# Altium PCB ReboostV2.1.PcbDoc (part 2 of 2) (continued)
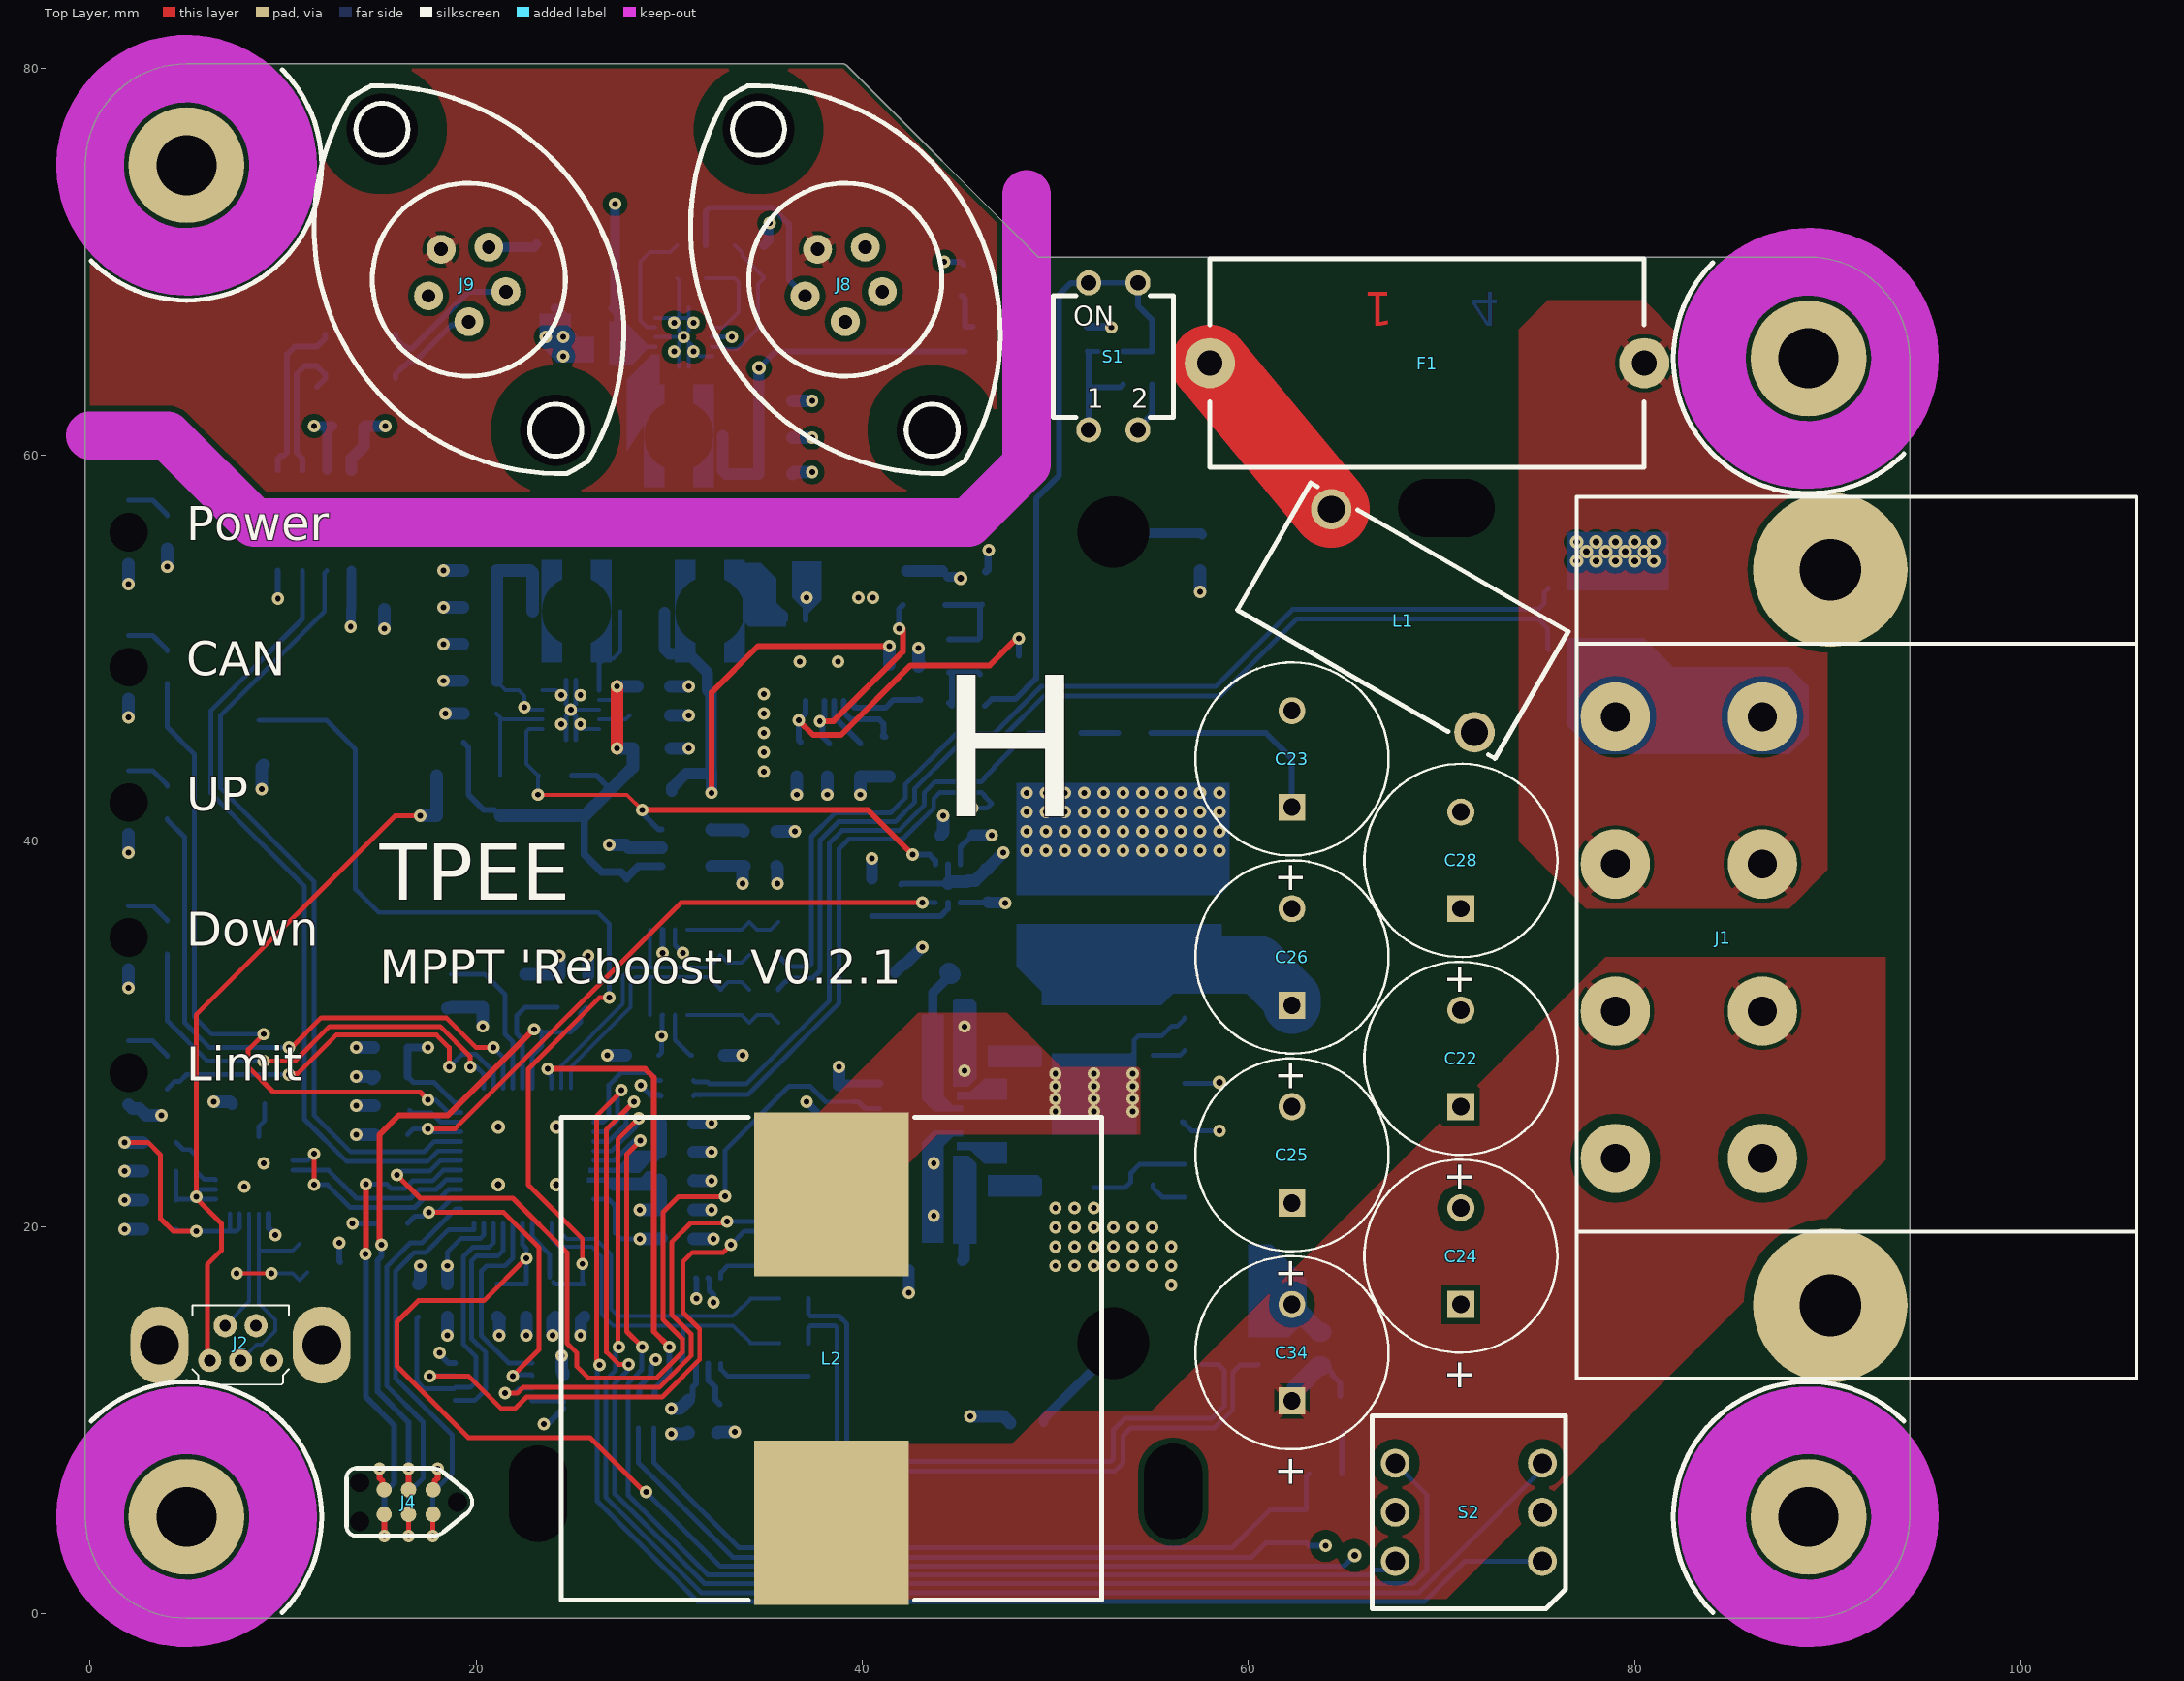
[diagram p0: Top Layer view]
## Nets (pads, with @x,y where several pads share a name; then routed paths per layer and width w, separated by ;. In a path a pad name is that pad's centre, name@x,y a point inside that pad or via, vN(x,y) a via of type N, cw(c..) or ccw(c..) an arc to the next point about the centre after c; other vN are vias at no path point) (continued)
NetC55_2: C55.2 U9.4@26.375,46.3 | length 1.7
  Bottom Layer w0.2: U9.4@26.375,46.3 27.75,46.3 C55.2@27.95,46.5
NetC57_2: C57.2 U10.4 | length 1.7
  Bottom Layer w0.65: U10.4@32.195,40.6 32.215,40.58 33.77,40.58 C57.2@33.85,40.5
NetD4_2: D4.2 R29.2 | length 2.1
  Bottom Layer w0.3: R29.2@45.15,68.25 R29.2@45.25,68.15 45.325,68.075 D4.2@45.325,66.635 D4.2@45.729,66.635
NetD4_4: D4.4 R41.1 S1.1 | length 6.5
  Bottom Layer w0.25: D4.4@51.675,65.365 D4.4@52.227,65.365
  Bottom Layer w0.3: D4.4@51.675,65.365 51.73,65.31 51.73,63.5 ; S1.1@51.73,61.29 51.73,63.5 ; R41.1@53.5,63.65 53.35,63.5 51.73,63.5
NetD5_2: D5.2 R35.1 R42.2 U9.7 | length 5.5
  Bottom Layer w0.2: R42.2@21.05,46.6 R42.2@21.235,46.415 ; D5.2@21.235,43.4 R42.2@21.235,46.415 ; U9.7@23.425,46.3 21.35,46.3 R42.2@21.235,46.415
NetF1_1: F1.1 L1.2 | length 29.5
  Top Layer w4: F1.1@58,64.75 L1.2@64.288,57.188
  Layer 1 w4: F1.1@58,64.75 L1.2@64.288,57.188
  Bottom Layer w4: F1.1@58,64.75 L1.2@64.288,57.188
NetL3_1: L3.1 U7.1 | length 1.4
  Bottom Layer w0.2: 28.8,63.85 28.8,64.1 29.275,64.575 U7.1@29.275,65.1
NetL4_1: L4.1 U8.1 | length 2
  Bottom Layer w0.2: L4.1@34.375,51.9 35.9,51.9 36.05,51.75 U8.1@36.05,51.45
NetL5_1: L5.1 U9.1 | length 5.2
  Bottom Layer w0.2: 26.638,49.438 27.1,49.438 27.475,49.813 L5.1@27.475,51.9
  Bottom Layer w0.25: U9.1@26.375,47.8 26.375,49.175 26.638,49.438 26.9,49.7
NetL6_1: L6.1 U6.5 | length 8.8
  Bottom Layer w0.3: U6.5@9.73,59.2 9.73,59.8 9.88,59.95 10.024,59.95 10.2,60.126 10.2,65.2 10.6,65.6 11.75,65.6 12.175,66.025 L6.1@12.175,66.225
NetL6_4: L6.4 U6.6 | length 7.8
  Bottom Layer w0.3: U6.6@11,59.2 11,59.8 10.7,60.1 10.7,64.2 11.1,64.6 11.75,64.6 12.175,64.175 12.175,63.951 L6.4@11.75,63.526
NetLED1_2: LED1.2 R1.1 | length 2.4
  Bottom Layer w0.25: LED1.2@2,57.65 3.25,57.65 4,56.9 R1.1@4,56.85
NetLED2_2: LED2.2 R2.1 | length 2.4
  Bottom Layer w0.25: LED2.2@2,50.65 3.25,50.65 4,49.9 R2.1@4,49.85
NetLED3_2: LED3.2 R3.1 | length 2.4
  Bottom Layer w0.25: LED3.2@2,36.65 3.25,36.65 4,35.9 R3.1@4,35.85
NetLED4_2: LED4.2 R4.1 | length 2.4
  Bottom Layer w0.25: LED4.2@2,29.65 3.25,29.65 4,28.9 R4.1@4,28.85
NetLED5_2: LED5.2 R5.1 | length 2.4
  Bottom Layer w0.25: LED5.2@2,43.65 3.25,43.65 4,42.9 R5.1@4,42.85
NetQ1_G1: Q1.G1 R24.2 | length 1.8
  Bottom Layer w0.25: Q1.G1@55.05,28.9 56.45,28.9 R24.2@56.7,29.15
NetQ1_G2: Q1.G2 R22.2
NetQ2_G1: Q2.G1 R50.2 | length 2
  Bottom Layer w0.25: Q2.G1@55.05,22.2 55.05,22.05 55.55,21.55 R50.2@56.7,21.55
NetQ2_G2: Q2.G2 R27.2
NetQ3_1: Q3.1 R38.1 R53.2 | length 3.7
  Bottom Layer w0.3: R38.1@44.5,47.15 R38.1@44.65,47 44.65,48.6 R53.2@44.5,48.75 46,48.75 Q3.1@46.1,48.65
NetQ3_2: Q3.2 R26.1 R37.2 R53.1 | length 5.3
  Bottom Layer w0.3: R26.1@44.3,52.225 R37.2@46.175,52.225 ; R53.1@44.5,50.45 46,50.45 Q3.2@46.1,50.55 46.1,52.15 R37.2@46.175,52.225 ; R37.2@46.2,52.25 R37.2@46.175,52.225
NetQ3_3: Q3.3 R34.2 U8.14 | length 17
  Top Layer w0.3: v1(36.7,46.25) 37.45,45.5 38.9,45.5 42.5,49.1 46.6,49.1 47.825,50.325 47.83,50.325 48.005,50.5 v1(48.1,50.5)
  Bottom Layer w0.3: R34.2@36.8,45.125 36.7,45.225 v1(36.7,46.25) 37.05,46.6 U8.14@37.05,47.25 ; Q3.3@48.1,49.6 v1(48.1,50.5)
NetR11_1: R11.1 U2.9 | length 3.3
  Bottom Layer w0.25: R11.1@4.45,24.4 4.825,24.025 5.175,24.025 5.5,23.7 5.5,22.9 5.925,22.475 6.475,22.475 U2.9@6.5,22.45
NetR12_VHS_1: R12_VHS.1 R13_VHS.2 | length 1.9
  Bottom Layer w0.3: R13_VHS.2@51.35,45.6 R12_VHS.1@53.25,45.6
NetR12_VLS_1: R12_VLS.1 R13_VLS.2 | length 2.2
  Bottom Layer w0.3: R13_VLS.2@64.85,7.25 64.85,9.25 R12_VLS.1@65,9.4
NetR15_1: R15.1 U3.46 | length 2.9
  Bottom Layer w0.25: R15.1@16.55,26.05 16.675,25.925 17.675,25.925 18.15,25.45 U3.46@19.2,25.45
NetR25_1: R25.1 R32.2 U8.12 | length 10.8
  Top Layer w0.3: v1(37.8,46.208) 38.508,46.208 42.1,49.8 v1@42.1,51
  Bottom Layer w0.3: U8.12@38.05,47.25 38.05,46.458 v1(37.8,46.208) 37.8,46.1 37.95,45.95 37.95,45.4 R32.2@38.3,45.05 ; v1(41.9,51) 41.9,52.025 R25.1@42.1,52.225
NetR28_1: R28.1 R30.2 U7.7 | length 5
  Bottom Layer w0.2: R28.1@31.9,69.15 R30.2@33.4,69.15 33.6,68.95 33.6,67.4 32.8,66.6 U7.7@32.225,66.6
NetR30_1: R30.1 R31.2 U7.9 | length 7.9
  Bottom Layer w0.2: U7.9@32.225,65.6 32.24,65.585 32.815,65.585 32.925,65.475 33.509,65.475 34.6,66.566 34.6,68.85 R31.2@34.9,69.15 34.9,69.2 33.8,70.3 33.8,70.45 R30.1@33.4,70.85
NetR33_1: R33.1 R36.2 U8.9 | length 3.9
  Bottom Layer w0.3: U8.9@39.55,47.25 39.55,46.95 39.6,46.9 41.2,46.9 41.6,47.3 R36.2@43,47.3
NetR38_2: R38.2 R39.2 R41.2 S1.3 S1.4 | length 33.3
  Bottom Layer w0.3: R38.2@46.35,47 46.7,47.35 47.928,47.35 49,48.422 49,57.737 50.2,58.937 50.2,68.3 50.806,68.906 51.726,68.906 S1.4@51.73,68.91 S1.3@54.27,68.91 54.27,67.73 55,67 R39.2@55,65.35 R41.2@53.5,65.35
NetR40_2: R40.2 U8.11 | length 3.3
  Bottom Layer w0.3: U8.11@38.55,47.25 38.55,46.412 R40.2@39.906,45.056 ; R40.2@39.55,45.4 R40.2@39.9,45.05
NetR47_1: R47.1 R48.2 U11.2 | length 4.4
  Bottom Layer w0.3: R47.1@40.5,36.105 44.049,36.105 44.43,36.486 U11.2@44.43,36.805
R\S\T\: J4.3 R14.2 U3.7 | length 36.1
  Top Layer w0.3: v1(15.1,19.1) 15,19.2 15,24.8 16,25.8 18.545,25.8 v1(22.995,30.25) ; J4.3@16.5,6.4 v1(16.5,7.5)
  Bottom Layer w0.25: U3.7@22.9,27.2 22.9,28.9 23.4,29.4 23.4,30.1 ; v1(22.995,30.25) 23.082,30.164 23.336,30.164 23.4,30.1 ; R14.2@25.7,31.4 25.421,31.121 25.421,30.621 24.9,30.1 23.4,30.1
  Bottom Layer w0.3: v1(15.1,19.1) 15.1,18.5 14.9,18.3 14.9,11.492 16.5,9.892 v1(16.5,7.5)
RX: U2.21 U3.40 | length 9.7
  Bottom Layer w0.25: U2.21@10.5,22.95 12.35,22.95 13.8,21.5 16.6,21.5 17.05,21.95 17.929,21.95 18.429,22.45 U3.40@19.2,22.45
S_IHS_N: R6_IHS.4 R7_IHS.1 | length 53.5
  Bottom Layer w0.25: R7_IHS.1@35.65,32.3 35.65,32.35 36.025,32.725 36.075,32.725 36.25,32.9 37.431,32.9 37.81,33.278 37.81,40.046 38.764,41 41.7,41 42.7,42 42.7,42.7 44.791,44.791 44.797,44.791 45.097,45.09 47.004,45.09 47.273,45.36 47.273,45.373 49.4,47.5 58.5,47.5 62.5,51.5 75,51.5 75.5,51 75.5,49.95 R6_IHS.4@75.55,49.9
S_IHS_P: R6_IHS.3 R9_IHS.1 | length 52.9
  Bottom Layer w0.25: R9_IHS.1@35.65,34.1 35.65,34.05 36.025,33.675 36.075,33.675 36.25,33.5 37.213,33.5 37.36,33.646 37.36,40.232 38.577,41.45 41.45,41.45 42.225,42.225 42.225,42.925 44.55,45.25 44.85,45.55 46.814,45.55 49.264,48 58.293,48 62.293,52 75,52 75.325,52.325 75.325,52.875 R6_IHS.3@75.55,53.1
S_ILS_N: R6_ILS.4 R7_ILS.1 | length 35.2
  Bottom Layer w0.25: R7_ILS.1@37.2,14 37.2,14.783 37.317,14.9 38.583,14.9 38.7,14.783 38.7,8.493 39.818,7.375 53.086,7.375 53.5,7.789 53.5,7.996 53.5,9.2 53.9,9.6 58.236,9.6 59.189,10.552 59.189,12.489 59.56,12.86 60.46,12.86 R6_ILS.4@60.5,12.9
S_ILS_P: R6_ILS.3 R9_ILS.1 | length 34.4
  Bottom Layer w0.25: R9_ILS.1@37.2,16.3 37.2,15.517 37.317,15.4 38.79,15.4 39.2,14.99 39.2,8.7 40.025,7.875 52.879,7.875 53,7.996 53,9.5 53.6,10.1 58.1,10.1 58.739,10.739 58.739,12.59 58.429,12.9 R6_ILS.3@57.6,12.9
SHLD: J8.5 J9.5
SWCLK: J4.4 U3.37 | length 21.2
  Top Layer w0.25: v1(16.5,4) J4.4@16.5,5.13
  Bottom Layer w0.25: v1(16.5,4) 16.5,6.25 17.25,7 17.25,9.905 15.375,11.78 15.375,17.975 16.6,19.2 17.2,19.2 18.95,20.95 U3.37@19.2,20.95
SWDIO: J4.2 U3.36 | length 21.8
  Top Layer w0.25: v1(17.75,4) 17.76,4.01 17.76,5.12 J4.2@17.77,5.13
  Bottom Layer w0.25: v1(17.75,4) 17.75,6.25 18.75,7.25 18.75,9.25 15.825,12.175 15.825,17.725 16.8,18.7 17.4,18.7 18.575,19.875 19.9,19.875 U3.36@19.9,20.2
SWO: J4.6 U3.41 | length 25.6
  Top Layer w0.3: v1(14.274,18.613) 14.3,18.639 v1(14.3,22.225) ; J4.6@15.23,5.13 15.24,5.12 15.24,4.01 v1(15.25,4)
  Bottom Layer w0.25: v1(14.3,22.225) 15.375,22.225 15.6,22 16.3,22 16.7,22.4 17.743,22.4 18.293,22.95 U3.41@19.2,22.95
  Bottom Layer w0.3: v1(14.274,18.613) 14.3,18.587 14.3,11.2 15.75,9.75 15.75,6.75 15.25,6.25 v1(15.25,4)
Tamb: C21.2 R19.1 R21.2 U3.30 | length 53.6
  Top Layer w0.25: v1(25.5,18.1) 25.5,19.4 22.7,22.2 22.7,28.2 26.4,31.9 v1(26.9,31.9)
  Bottom Layer w0.25: R21.2@8.75,46.25 12.25,46.25 13.75,44.75 13.75,37.5 14.95,36.3 26.3,36.3 26.9,35.7 v1(26.9,31.9) ; U3.30@22.9,20.2 22.9,19.5 23.8,18.6 C21.2@23.8,17.4 ; C21.2@24,17.15 C21.2@24.1,17.05 R19.1@25.6,17.05 25.5,17.15 v1(25.5,18.1) v1@25.35,18.1
Tsink: C20.2 R18.1 R20.2 U3.31 | length 98.6
  Top Layer w0.25: v1(22.6,18.4) 20.4,16.2 17,16.2 15.9,15.1 15.9,12.8 19.6,9.1 25.9,9.1 28.71,6.29 v1(28.79,6.29)
  Layer 1 w0.25: v2(58.5,27.5) 59.5,26.5 59.5,10 65.5,4 v2(65.5,3)
  Bottom Layer w0.25: R18.1@21.1,17.05 C20.2@22.6,17.05 v1(22.6,18.4) 22.6,18.9 22.4,19.1 22.4,19.375 U3.31@22.4,20.2 ; v1(28.79,6.29) 32.631,2.45 64.95,2.45 v2(65.5,3) ; R20.2@56.7,27.45 v2@58.65,27.45
TX: U2.20 U3.39 | length 11.3
  Top Layer w0.25: v1(11.6,22.2) v1(11.6,23.8)
  Bottom Layer w0.25: U2.20@10.5,23.45 11.25,23.45 v1(11.6,23.8) ; v1(11.6,22.2) 12.3,22.2 13.475,21.025 16.825,21.025 17.3,21.5 18.116,21.5 18.566,21.95 U3.39@19.2,21.95
V_VHS_P: L7_VHS.1 R13_VHS.1 R49_VHS.1 | length 31.2
  Bottom Layer w0.25: L7_VHS.1@31.25,27.6 31.325,27.525 31.973,27.525 32.079,27.419 33.983,27.419 38.3,31.736 38.3,39.9 38.95,40.55 41.9,40.55 43.2,41.85 43.2,42.5 43.775,43.075 46.179,43.075 46.325,43.221 46.325,43.275 R49_VHS.1@46.7,43.65 46.825,43.775 46.825,43.825 48.6,45.6 R13_VHS.1@49.65,45.6
V_VLS_P: L7_VLS.1 R13_VLS.1 R49_VLS.1 | length 40.2
  Bottom Layer w0.25: L7_VLS.1@29.2,9.6 29.2,7.8 33.6,3.4 59.15,3.4 61.1,5.35 R49_VLS.1@63,5.35 63,7.1 R13_VLS.1@63.15,7.25
Vb: C22.1 C23.1 C24.1 C25.1 C26.1 C28.1 C32.2 C33.2 C36.2 C37.2 C38.2 C64.2 L1.1 Q1.D R12_VHS.2 R25.2 R26.2 U8.3 | length 62.6
  Layer 1 w0.5: v1(37.1,52.6) 38.2,53.7 38.8,54.3 44.9,54.3 ; 44.95,54.3 45.1,54.3 ; v2(45.1,53.6) 45.1,54.3 ; L1.1@71.5,45.5 71.5,46 67.5,50 53.02,50 49.02,54 45.98,54 45.68,54.3 45.1,54.3
  Bottom Layer w0.2: 37.05,52.15 37,52.2 37.004,52.204 37.004,52.504 v1(37.1,52.6)
  Bottom Layer w0.3: U8.3@37.05,51.45 37.05,52.15 ; R12_VHS.2@54.95,45.6 60.9,45.6 62.25,44.25 C23.1@62.25,41.5
  Bottom Layer w0.5: R26.2@44.45,53.675 44.875,53.675 44.95,53.6 v2(45.1,53.6)
  Bottom Layer w0.6: R25.2@42.3,53.975 R26.2@44.15,53.975
  Bottom Layer w3: 54.8,33.6 55.7,33.6 60.493,33.6 62.25,31.843 C26.1@62.25,31.5
Vcan: C43.2 C44.2 D8.2 J8.1 J9.1 R28.2 U7.2@29.275,65.6 | length 45.6
  Layer 1 w1: J9.1@17.534,68.233 16.5,69.267 16.5,71.2 17.6,72.3 27.2,72.3 33.2,72.3 36.784,68.716 36.784,68.618 37.034,68.368 J8.1@37.034,68.233 ; v1@27.2,72.786 v1(27.2,73)
  Bottom Layer w0.24: 28.4,65.6 U7.2@29.275,65.6
  Bottom Layer w0.3: R28.2@31.9,70.85 31.9,72.624 32.076,72.8 35.355,72.8 36.2,71.955 36.2,69.067 J8.1@37.034,68.233
  Bottom Layer w0.5: v1(27.2,73) 27.2,67.7 C44.2@27.1,67.6 27.375,67.325 C43.2@27.375,65.4
Vdd: C9.2 C16.2 C17.2 C18.2 C19.2 C31.2 C41.2 C53.2 C60.2 C65.2 C66.2 J4.1 L5.2 R1.2 R14.1 R18.2 R19.2 R45.1 U3.23 U3.35 U3.48 U4.8 U5.7 U6.1 U9.8 | length 45.1
  Top Layer w0.3: J4.1@17.77,6.4 17.866,6.496 17.866,6.866 18,7 v1(18,7.5)
  Layer 1 w0.65: 27.2,19.4 v1(28.475,19.4)
  Bottom Layer w0.2: C41.2@21.075,48.3 21.075,48.25 21.525,47.8 22.2,47.8 22.5,47.5 v1(22.5,46.925) 22.617,46.808 22.617,46.8 U9.8@23.425,46.8
  Bottom Layer w0.25: C17.2@16.45,27.8 16.75,27.5 17.825,27.5 18.657,26.668 18.875,26.45 U3.48@19.2,26.45 ; v1(18.5,18) 18.5,18.7 19.225,19.425 20.225,19.425 20.4,19.6 U3.35@20.4,20.2 ; U3.23@26.1,21.45 26.85,21.45 27.2,21.1 27.2,19.7 27.5,19.4 v1(28.475,19.4)
  Bottom Layer w0.3: U4.8@22.9,11.025 24.425,11.025 C9.2@24.5,10.95 ; v1(23.5,9.8) 23.7,9.8 24.5,10.6 C9.2@24.5,10.65 ; C18.2@29.45,19.5 C18.2@29.55,19.4
  Bottom Layer w0.4: C17.2@16.45,27.8 C19.2@16.45,29.3 v1(17.5,29.3) ; C60.2@38.8,27.35 38.9,27.45 U5.7@40.9,27.45
  Bottom Layer w0.5: v1(13.5,51.1) 13.519,51.119 13.519,51.969 C31.2@13.55,52 13.545,52.005 13.545,53.995 U6.1@13.54,54
  Bottom Layer w0.65: v1(4,54.2) R1.2@4,55.15 ; v1(13.8,24.8) R45.1@14.75,24.8 ; C16.2@18.5,17.05 v1(18.5,18) ; C41.2@21.075,48.3 C65.2@21.075,50.2 C66.2@21.075,52.1 C53.2@21.075,54 22.8,54 22.925,53.875 L5.2@22.925,51.9 ; R18.2@21.1,15.35 21.225,15.225 21.2,15.2 v1(21.2,14.4) ; v1(25.4,14.4) 25.425,14.425 25.425,15.175 R19.2@25.6,15.35 ; R14.1@25.8,33.05 v1(25.8,34.05) ; v1@28.5,19.4 C18.2@29.55,19.4 ; C18.2@29.5,19.4 C18.2@29.55,19.4 ; C18.2@29.6,19.45 C18.2@29.55,19.4 ; C60.2@38.8,27.35 v1(38.8,28.3)
VDD_CP: C8.2 R11.2 U2.5 U2.6 | length 13.5
  Top Layer w0.25: v1(1.8,24.4) 3,24.4 3.65,23.75 3.65,20.45 4.3,19.8 v1(5.5,19.8)
  Bottom Layer w0.25: C8.2@4.45,19.9 4.55,19.8 v1(5.5,19.8) 7.25,19.8 ; U2.6@7.25,20.7 7.25,19.8 ; U2.5@7.75,20.7 7.75,19.95 7.6,19.8 7.25,19.8
  Bottom Layer w0.65: v1(1.8,24.4) R11.2@2.75,24.4
Vdda: C2_IHS.2 C2_ILS.2 C12.2 C13.2 C67.2 U1_IHS.3 U1_IHS.7 U1_ILS.3 U1_ILS.7 U3.21 U10.5 | length 16.5
  Bottom Layer w0.25: U3.21@26.1,22.45 C12.2@29.5,22.45 ; C2_IHS.2@29.45,28.9 29.6,29.05 v1(29.6,29.9) 29.623,29.923 29.623,30.978 U1_IHS.3@29.645,31 ; U1_IHS.7@30.295,35.4 30.295,34.605 v1(30.7,34.2)
  Bottom Layer w0.3: C13.2@31.2,11.2 31.2,11.7 31.375,11.875 U1_ILS.3@31.375,12.95 ; U1_ILS.7@32.025,17.35 32.08,17.295 32.08,16.728 32.3,16.508 v1(32.3,16.1)
  Bottom Layer w0.65: v1(28.475,20.9) C2_ILS.2@29.55,20.9 C12.2@29.55,22.4 C12.2@29.5,22.45 ; v1(30.1,10.6) 30.55,10.6 C13.2@31,11.05 ; U10.5@32.195,38.7 C67.2@33.85,38.7 ; v1(33.8,37.8) 33.8,38.65 C67.2@33.85,38.7 ; C67.2@33.9,38.7 C67.2@33.85,38.7
VDDPG: R44.1 U9.6 U10.3 U11.4 | length 28.2
  Top Layer w0.2: v1(23.2,42.4) 27.8,42.4 v1(28.6,41.6)
  Top Layer w0.3: v1(28.6,41.6) 40.3,41.6 v1(42.6,39.3)
  Bottom Layer w0.2: v1(23.2,42.4) 23.2,43.35 R44.1@23.25,43.4 23.2,43.4 22.6,44 22.6,45.683 22.717,45.8 U9.6@23.425,45.8
  Bottom Layer w0.3: v1(28.6,41.6) 28.6,41.455 29.455,40.6 U10.3@29.605,40.6 ; v1(42.6,39.3) 43.475,39.3 43.78,38.995 U11.4@43.78,38.795
Vdds: C42.2 C52.2 C54.2 D6.2 D7.2 R35.2 R44.2 U9.2@26.375,47.3 U10.1 | length 29.6
  Top Layer w0.65: v1(27.3,44.8) v1(27.3,48)
  Bottom Layer w0.2: U9.2@26.375,47.3 27.1,47.3 27.314,47.514 27.314,47.84 v1@27.431,47.957
  Bottom Layer w0.3: R35.2@19.35,45.1 19.6,44.85 19.6,42.4 20.4,41.6 20.935,41.6 D7.2@21.235,41.3 ; R44.2@24.95,43.4 26.22,43.4 26.865,42.755 D6.2@26.865,42.6
  Bottom Layer w0.4: 25.6,41.3 25.6,39.3 26.5,38.4 27.5,38.4 C54.2@27.8,38.1 ; U10.1@29.605,38.7 28.4,38.7 C54.2@27.8,38.1 ; C54.2@27.8,38.1 C54.2@27.8,38.05 C54.2@27.8,38.1
  Bottom Layer w0.65: D7.2@21.235,41.3 25.6,41.3 D6.2@26.865,42.565 ; D6.2@26.865,42.6 D6.2@26.865,42.565 ; v1(27.3,44.8) 28.125,44.8 28.125,43.825 D6.2@26.865,42.565 ; v1@27.31,48 C42.2@28.35,48
Vdrv: C56.2 D2.1 D3.1 R47.2 U11.1 | length 38.1
  Layer 1 w0.3: v1(40.5,39.1) 41.6,38 46.7,38 47.3,37.4 v1@47.3,36.8
  Layer 1 w0.6: v1(42.4,16.6) 42.4,16.614 42.1,16.914 42.1,33.5 v1(43.1,34.5) 45.4,36.8 v1@47.3,36.8
  Bottom Layer w0.3: U11.1@45.08,36.805 46.355,36.805 C56.2@46.4,36.85
  Bottom Layer w0.6: R47.2@40.5,38.05 v1(40.5,39.1) ; D3.1@41.7,33.2 42.1,33.6 42.2,33.6 v1(43.1,34.5) ; v1(42.4,16.6) D2.1@42.4,17.8 ; C56.2@46.5,36.85 46.531,36.819 47.381,36.819 v1(47.4,36.8)
VDRVPG: R45.2 U3.45 U11.3 | length 34.1
  Top Layer w0.25: v1(17.5,25.1) 18.9,25.1 30.605,36.805 v1(43.1,36.805)
  Bottom Layer w0.25: R45.2@16.45,24.8 16.75,25.1 17.622,25.1 17.772,24.95 U3.45@19.2,24.95 ; v1(43.1,36.805) U11.3@43.78,36.805
VHN: J1.4 R6_IHS.2
VHP: F1.2 J1.3
VHS: L7_VHS.2 U3.15 | length 5.7
  Bottom Layer w0.25: U3.15@26.1,25.45 26.598,25.45 26.875,25.727 26.875,26.831 26.875,27.369 27.506,28 28.975,28 29.225,27.75 29.225,27.675 29.3,27.6 L7_VHS.2@29.55,27.6
VLN: C34.2 C35.1 J1.1 R6_ILS.2 | length 17.7
  Layer 1 w5: 63.5,16 65.357,16 ; 74.7,19.27 J1.1@79,23.57 J1.1@86.62,23.57
  Bottom Layer w1: C34.2@62.25,16 62.25,15.975 63.65,14.575 C35.1@63.8,14.575
VLP: C34.1 C35.2 J1.2 L2.2 R12_VLS.2 | length 4.1
  Bottom Layer w0.3: C35.2@64.219,12.556 64.35,12.425 64.35,12.338 64.75,11.938 R12_VLS.2@64.75,11.25
  Bottom Layer w1: C34.1@62.25,11 62.45,11.2 62.45,11.625 63.65,12.825 C35.2@63.8,12.825
VLS: L7_VLS.2 U3.9 | length 23.9
  Top Layer w0.3: v1(23.7,28.2) 28.75,28.2 29.2,27.75 29.2,14.6 v1(30,13.8)
  Bottom Layer w0.25: v1(23.7,28.2) 23.7,28.028 23.9,27.828 U3.9@23.9,27.2
  Bottom Layer w0.3: L7_VLS.2@29.2,11.3 29.25,11.35 29.25,11.65 30,12.4 v1(30,13.8)
Vreg: C45.2 C48.2 C49.2 C50.2 D6.1 L4.2 R33.2 U11.6 | length 48
  Top Layer w0.3: v1(32.2,42.5) 32.2,47.7 34.6,50.1 v1(41.4,50.1)
  Layer 1 w0.6: v1(32.2,42.5) 33.2,41.5 38.7,41.5 39.9,40.3 v1(46.7,40.3)
  Bottom Layer w0.3: U11.6@45.08,38.795 45.08,39.68 45.7,40.3 C45.2@45.75,40.3
  Bottom Layer w0.6: L4.2@29.75,51.825 29.75,49.95 30,49.7 31,49.7 31.976,48.724 31.976,47.799 C48.2@32.175,47.6 C49.2@32.175,43.6 ; D6.1@30.135,42.6 30.135,42.755 30.88,43.5 32.075,43.5 C49.2@32.175,43.6 ; v1(32.2,42.5) 32.188,42.513 32.188,43.588 C49.2@32.175,43.6 ; C45.2@45.75,40.3 v1(46.7,40.3)
  Bottom Layer w0.65: R33.2@41.4,49.15 v1(41.4,50.1)
Vusb: C5.2 C6.2 D5.1 D7.1 J2.1 U2.7 U2.8 | length 42.5
  Top Layer w0.25: J2.1@6.2,13.1 6.075,13.225 6.075,18.075 6.8,18.8 6.8,20.2 5.5,21.5 v1(5.5,21.575) 5.5,31 15.8,41.3 v1(17.1,41.3)
  Bottom Layer w0.25: C6.2@4.45,22.9 C5.2@4.45,21.4 4.5,21.45 v1@5.5,21.45 ; U2.7@6.5,21.45 v1@5.5,21.45 ; U2.8@6.5,21.95 5.75,21.95 5.5,21.7 v1(5.5,21.575) v1@5.5,21.45
  Bottom Layer w0.65: v1(17.1,41.3) D7.1@17.965,41.3 D5.1@17.965,43.4
pads on no net: J2.4 J4.- LED1. LED2. LED3. LED4. LED5. MP3.1 MP4.1 MP5.1 MP6.1 U2.1 U2.10 U2.11 U2.12 U2.13 U2.14 U2.15 U2.17 U2.18 U2.19 U2.22 U2.23 U2.24 U3.1 U3.8 U3.12 U3.13 U3.14 U3.22 U3.24 U3.25 U3.26 U3.29 U5.1 U5.6 U5.11 U7.2@30.35,65.525 U7.2@30.35,66.675 U7.2@31.15,65.525 U7.2@31.15,66.675 U7.3@31,64.55 U7.3@31,67.65 U7.4@30.5,64.55 U7.4@30.5,67.65 U7.6 U8.5 U9.2@24.5,46.225 U9.2@24.5,47.375 U9.2@25.3,46.225 U9.2@25.3,47.375 U9.3@24.65,45.25 U9.3@24.65,48.35 U9.4@25.15,45.25 U9.4@25.15,48.35 U9.9

## Polygon pours and split planes (outlines as drawn)
Vb on Bottom Layer "VB_L04_P019" (solid, remove dead copper, pour order 19): 62.5,48 72.5,48 73.5,47 73.5,15.5 72.5,14.5 67,14.5 60.493,21.007 60.493,45.993
GND on Bottom Layer "GND_L04_P003" (solid, pour order 3): 39.4,54.7 39.4,52.95 38.5,52.05 38.5,50.2 36.4,50.2 34.55,48.35 33.8,48.35 33.55,48.1 33.518,43.1 35.05,43.1 35.4,43.45 35.4,46.2 36.15,46.95 36.15,48.2 36.55,48.6 39.55,48.6 40.9,49.95 40.9,54.7
GND on Bottom Layer "GND_L04_P000" (solid, pour order 0): 53.7,22.3 57.5,18.5 57.5,14 50,14 49.5,14.5 49.5,21.5 50.3,22.3
CGND on Layer 2 "CGND_L03_P004" (solid, pour order 4): 47.5,83 0,83 0,56.75 19,56.75 47.5,56.75
GND on Layer 2 "GND_L03_P002" (solid, remove dead copper, pour order 2): 93.75,83 93.75,0 0,0 0,83
VHP on Layer 1 "VHP" (solid, pour order 21): 88,36.5 77.5,36.5 74,40 74,66.5 75.5,68 80.5,68 90,58.5 90,38.5
VLN on Layer 1 "VLN" (solid, pour order 20): 64.5,13.5 72.5,13.5 81,22 81,26 72,26 64.5,18.5
Vdda on Layer 1 "VDDA_L02_P005" (solid, pour order 5): 34.4,37.85 34.4,37 32.8,35.4 32.8,10.5 32.3,10 29.9,10 28.25,11.65 28.25,36.05 30.45,38.25 34,38.25
Vdd on Layer 1 "VDD_L02_P011" (solid, pour order 11): 25.021,41 23.521,42.5 23.521,54.7 19,54.7 8.3,54.7 8.3,55.3 3.3,60.3 -0.3,60.3 -1.6,59 -1.6,0.1 -0.1,-1.4 41,-1.4 42.1,-0.3 42.1,37.9 39,41
VHP on Top Layer "VHP" (solid, pour order 23): 88,36.5 77.5,36.5 74,40 74,66.5 75.5,68 80.5,68 90,58.5 90,38.5
VLP on Top Layer "VLP_L01_P015" (solid, pour order 15): 35,8.75 47.75,8.75 49.5,10.5 55,10.5 78.5,34 93,34 93,23.5 70.25,0.75 35,0.75
SHLD on Top Layer "SHLD_L01_P012" (solid, remove dead copper, pour order 12): 39.75,80.25 -2.1,80.25 -2.1,61.6 2.8,61.6 7.7,56.7 45.7,56.7 48.5,59.5 48.5,71.5
HSS on Top Layer "HSS_L01_P009" (solid, pour order 9): 54.3,28.3 50.3,28.3 47.5,31.1 42.9,31.1 34.5,22.7 34.5,17.9 42.3,17.9 42.2,18 42.2,23.1 43.9,24.8 54.4,24.8 54.4,28.2

## Keep-outs
Keep-Out Layer:
  circle w3.5: c5,5 r5
  circle w3.5: c5,75 r5
  circle w3.5: c89,65 r5
  circle w3.5: c89,5 r5
  lines w2.5: 0,61 4,61 8.5,56.5 45.5,56.5 48.5,59.5 48.5,73.5

## Other copper
Top Layer:
  pour cut-out: 43.62,57.913 cw(c43.62,61.281) 40.251,61.281 cw(c43.62,61.281) 43.62,64.65 cw(c43.62,61.281) 46.988,61.281 cw(c43.62,61.281)
  pour cut-out: 34.625,73.491 cw(c34.625,76.86) 31.256,76.86 cw(c34.625,76.86) 34.625,80.229 cw(c34.625,76.86) 37.994,76.86 cw(c34.625,76.86)
  pour cut-out: 15.125,73.491 cw(c15.125,76.86) 11.756,76.86 cw(c15.125,76.86) 15.125,80.229 cw(c15.125,76.86) 18.494,76.86 cw(c15.125,76.86)
  pour cut-out: 24.12,57.913 cw(c24.12,61.281) 20.751,61.281 cw(c24.12,61.281) 24.12,64.65 cw(c24.12,61.281) 27.488,61.281 cw(c24.12,61.281)
  text "1" at 67.5,69 h3 r180
Layer 1:
  text "2" at 69.5,69 h3 r180
Layer 2:
  pour cut-out: 73.45,66 73.45,69 65.5,69 65.5,66
  region net HSS: 50.2,25.9 43.8,25.9 43.1,26.6 43.1,32.6 43.5,33 47.3,33 47.3,31.6 50.3,28.6 50.3,26
  text "3" at 69.5,69 h3 r180
Bottom Layer:
  rectangle net HSS: 49.8,24.8 54.2,29
  region net GND: 81.75,53 81.75,56 76.5,56 76.5,53
  region net VHN: 76.5,50.5 76.5,46 78,44.5 88,44.5 89,45.5 89,48 88,49 82,49 80.5,50.5
  region net Vdda: 25.75,22.575 28.525,22.575 28.85,22.9 29.25,22.9 29.25,21.9 27.025,21.9 26.6,22.325 25.75,22.325
  region net NetC14_2: 25.825,22.825 28.45,22.825 29.075,23.45 29.075,23.975 28.175,23.975 27.275,23.075 25.825,23.075
  region net CGND: 26.1,64.8 24.2,64.8 23.3,65.7 23.3,67.3 24.9,67.3 24.9,66.5 25.3,66.1 26.1,66.1
  region net Vcan: 29,65.6 27.7,66.9 26.9,66.9 26.9,64.7 28.1,64.7
  region net VLN: 62.1,14.3 63,15.2 63,17.3 61.2,19.1 60,19.1 60,14.3
  region net GND: 48,37.2 48,43 59,43 59,37.7 58.5,37.2
  region net Vb: 48,35.7 48,33.5 49.3,32.2 49.3,31.5 55.5,31.5 58.6,34.6 58.6,35.7
  region net NetC30_2: 44.7,23.7 44.7,19.15 45.9,19.15 45.9,23.3 45.5,23.7
  region net GND: 44.2,19.2 44.2,24.2 44.7,24.7 45.2,24.7 45.2,25 43.7,25 43.1,24.4 43.1,19.2
  region net LSG: 44.9,24 45.6,24 46.3,23.3 47.5,23.3 47.5,24.4 44.9,24.4
  region net NetQ2_G2: 46.5,21.6 49.2,21.6 49.3,21.7 49.3,22.5 49.1,22.7 46.5,22.7
  region net HSS: 44.7,27.3 44.7,31.7 44.8,31.8 45.7,31.8 45.9,31.6 45.9,27.7 45.5,27.3
  region net NetC40_2: 44.2,31 44.2,26.8 44.7,26.3 45.2,26.3 45.2,26 43.7,26 43.1,26.6 43.1,31
  region net NetQ1_G2: 46.5,28.3 49.2,28.3 49.3,28.4 49.3,29.2 49.1,29.4 46.5,29.4
  region net HSG: 44.9,27 45.6,27 46.3,27.7 47.5,27.7 47.5,26.6 44.9,26.6
  region net NetL3_1: 29.5,65.2 29.5,62.8 27.8,60.2 27.8,63.9 29.1,65.2
  region net NetL4_1: 36.05,51.85 35.55,52.35 35.55,53.6 34.75,54.4 33.8,54.4 33.8,51.4 34.1,51.1 36.05,51.1
  region net Vb: 37.875,54.475 37.875,52.475 37.2,51.8 36.375,52.624 36.375,54.475
  text "4" at 71.5,69 h3 r180

## Silkscreen, mask and mechanical layers (free items; w line width, h text height)
Top Overlay:
  lines w0.254: 0.05,9.95 cw(c5,5) 9.95,0.05 ; 0.05,70.05 ccw(c5,75) 9.95,79.95 ; 84.05,0.05 cw(c89,5) 93.95,9.95 ; 84.05,69.95 ccw(c89,65) 93.95,60.05
  text "Power" at 5,55 h3
  text "CAN" at 5,48 h3
  text "UP" at 5,41 h3
  text "H" at 43.9,38.4 h15
  text "TPEE" at 15,36 h5
  text "Down" at 5,34 h3
  text "MPPT 'Reboost' V0.2.1" at 15,32.036 h3
  text "Limit" at 5,27 h3
Bottom Overlay:
  lines w0.254: 23.2,3.7 61.7,3.8 ; 23.2,8.75 61.8,8.75 ; 48,19.373 58,19.373 ; 48,33.373 58,33.373 ; 48,10 58,10 58,60 48,60 48,10
  text "H" at 59.15,19.1 h20 r270
Top Solder:
  region: 65.5,69 65.5,66 73.5,66 73.5,69
Bottom Solder:
  region: 65.5,69 73.5,69 73.5,66 65.5,66
Board:
  lines w0.5: 51,70 49,70 ; 49,70 39,80 38,80 5,80 ccw(c5,75) 0,75 0,5 ccw(c5,5) 5,0 89,0 ccw(c89,5) 94,5 94,65 ccw(c89,65) 89,70 49,70

## Text inside footprints (layer, text, board x,y; h text height)
C22: Top Overlay "+" at 70.3,23.45 h1.5 r270
C23: Top Overlay "+" at 61.55,38.95 h1.5 r270
C24: Top Overlay "+" at 70.3,13.2 h1.5 r270
C25: Top Overlay "+" at 61.55,18.45 h1.5 r270
C26: Top Overlay "+" at 61.55,28.7 h1.5 r270
C28: Top Overlay "+" at 70.3,33.7 h1.5 r270
C34: Top Overlay "+" at 61.55,8.2 h1.5 r270
S1: Top Overlay "1" at 51.63,62.43 h1.02; Top Overlay "ON" at 50.93,66.69 h1.02; Top Overlay "2" at 53.93,62.43 h1.02; Mechenical 13 "2" at 53.93,62.43 h1.02; Mechenical 13 "ON" at 50.93,66.69 h1.02; Mechenical 13 "1" at 51.63,62.43 h1.02